# Altium PCB AMS-LV.PcbDoc (part 2 of 2)
Units mm, origin at the board's own origin, x right, y up, seen from the top; angles counter-clockwise.
Board outline 63.9 x 148.3 mm, 4 copper layers (Top Layer, Power VCC, Power GND, Bottom Layer), stack 0.603 mm thick; 121 components, 81 nets, 444 pads, 109 vias.
Unrouted connection lines stored in the file: 19.
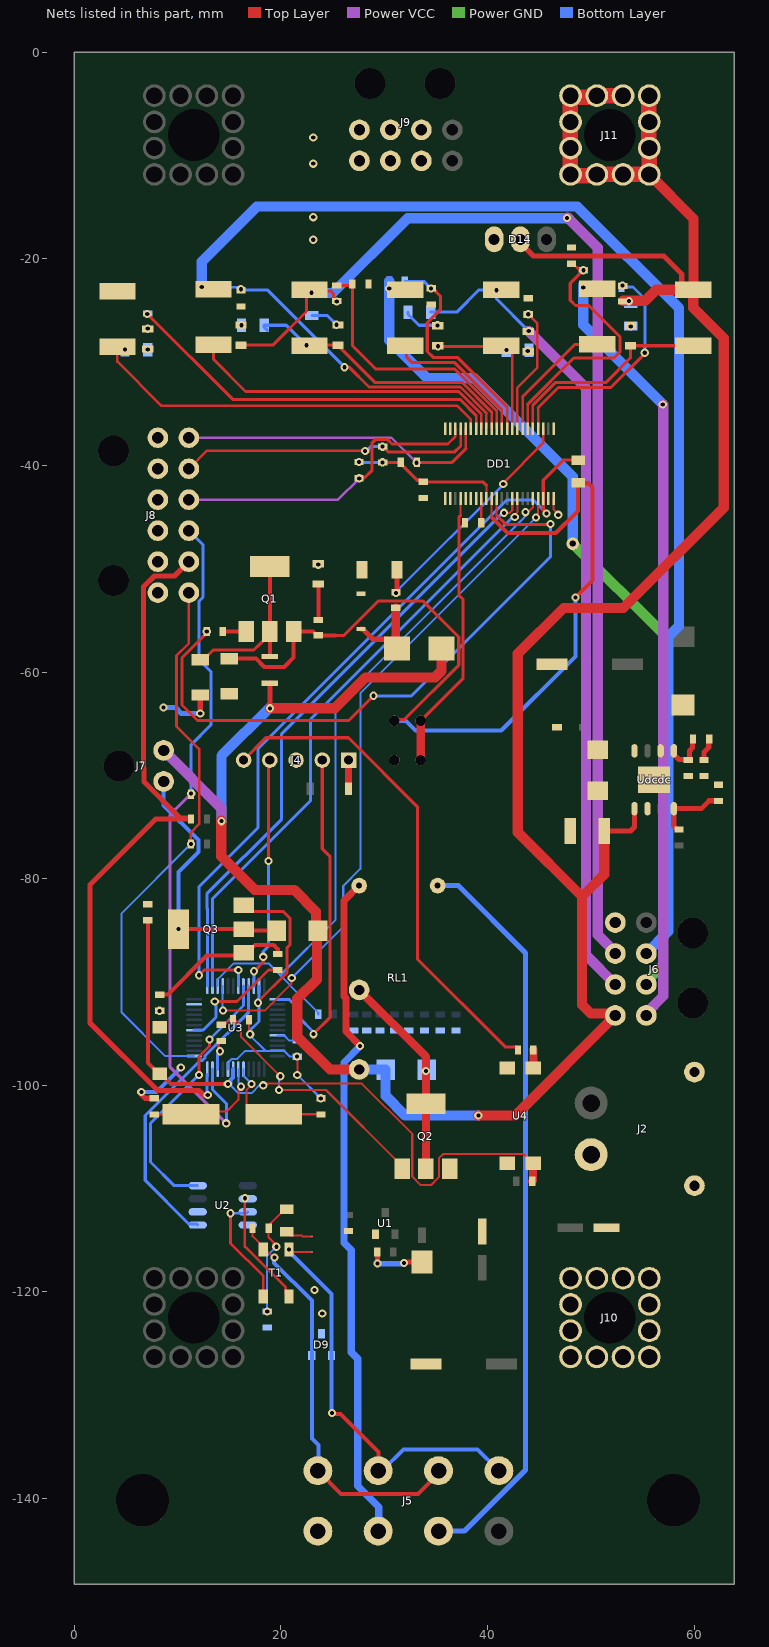
[diagram p4: the nets of this part, all layers, seen from the top]

## Via types
v1: diameter 0.8, hole 0.4, Top Layer to Bottom Layer, 108 vias
v2: diameter 1.2, hole 0.6, Top Layer to Bottom Layer, 1 vias

## Nets (pads, with @x,y where several pads share a name; then routed paths per layer and width w, separated by ;. In a path a pad name is that pad's centre, name@x,y a point inside that pad or via, vN(x,y) a via of type N, cw(c..) or ccw(c..) an arc to the next point about the centre after c; other vN are vias at no path point) (continued)
"BAT V+": Cin.1 D8.1 D12.2 D13.2 D14.2 J6.1 J7.2 J11.1 J11.2 J11.3 J11.4 J11.5 J11.6 J11.7 J11.8 J11.9 J11.10 J11.11 J11.12 R2.2 R4.2 R19.2 R25.2 RL1.4 Udcdc.8 | length 278
  Top Layer w0.5: R25.2@18.922,-61.087 18.939,-61.087 v1(18.939,-63.51) ; D14.2@43.179,-18.101 43.179,-18.451 44.454,-19.726 57.064,-19.726 58.801,-21.463 58.801,-22.648 R4.2@58.453,-22.996 ; Cin.1@51.306,-75.378 53.847,-75.378 54.228,-74.997 Udcdc.8@54.228,-73.225
  Top Layer w1: v1@14.223,-74.362 14.223,-77.85 17.466,-81.093 21.276,-81.093 23.39,-83.207 23.39,-84.831 D13.2@23.589,-85.03 23.494,-85.125 23.494,-89.729 21.589,-91.634 21.589,-95.317 24.747,-98.475 RL1.4@27.568,-98.475 ; v1(18.939,-63.51) 25.202,-63.51 28.193,-60.519 34.924,-60.519 35.55,-59.893 D8.1@35.55,-57.725 ; v1(39.115,-102.937) 42.684,-102.937 J6.1@52.372,-93.249 52.181,-93.058 50.005,-93.058 49.149,-92.202 49.149,-81.729 ; Cin.1@51.306,-75.378 51.306,-79.572 49.149,-81.729 ; R19.2@53.146,-24.058 55.256,-24.058 56.318,-22.996 R4.2@58.453,-22.996 ; J11.1@55.66,-11.81 59.944,-16.094 R4.2@59.944,-22.948 ; R4.2@59.916,-22.996 59.916,-24.737 62.865,-27.686 62.865,-44.084 53.152,-53.797 47.366,-53.797 42.926,-58.237 42.926,-60.325 42.925,-60.326 42.925,-75.505 49.149,-81.729
  Top Layer w1.5: J11.9@53.12,-4.19 J11.9@53.12,-4.19 50.581,-4.191 J11.8@50.58,-4.19 50.446,-4.324 49.951,-4.324 49.931,-4.344 48.383,-4.344 48.229,-4.19 J11.7@48.04,-4.19 48.006,-4.224 48.006,-6.73 48.006,-9.27 48.006,-11.965 48.027,-11.944 48.669,-11.944 48.689,-11.964 50.237,-11.964 50.391,-11.81 J11.3@50.58,-11.81 J11.2@53.12,-11.81 J11.1@55.66,-11.81 J11.12@55.66,-9.27 ; J11.12@55.626,-9.304 55.626,-6.73 J11.10@55.626,-4.689
  Power VCC w1: J7.2@8.638,-67.588 14.239,-73.189 v1(14.239,-74.433)
  Bottom Layer w1: v1(14.239,-74.433) 14.239,-68.123 v1@18.922,-63.44 ; RL1.4@27.568,-98.475 27.576,-98.483 30.121,-98.483 D12.2@30.13,-98.492 30.13,-101.037 32.03,-102.937 v1(39.115,-102.937)
  other v1: 53.71,-24.088
"BAT V-": B1.2 C1.2 C2.2 C3.2 C4.2 C5.2 C6.2 C7.1 C8.1 C9.2 C10.2 C11.2 C12.2 C13.1 C14.1 C15.2 C16.2 C17.1 C18.1 C19.1 C20.1 C21.1 C22.1 C23.1 C24.1 C25.1 C26.1 C27.1 C28.1 Cc1.1 Cin.2 Cout.1 D1.2 D7.1 D9.3 D11.2 DD1.1 DD1.21 DD1.22 DD1.23 DD1.24 DD1.27 DD1.28 DD1.29 DD1.43 DD1.44 Dout.1 Dtvs.2 J2.2 J2.A J3.2 J4.3 J5.5 J6.4 J8.7 J8.8 J8.9 J8.10 J8.11 J8.12 J9.2 J9.3 J9.6 J9.7 J10.1 J10.2 J10.3 J10.4 J10.5 J10.6 J10.7 J10.8 J10.9 J10.10 J10.11 J10.12 Q2.3 Q3.3 R5.2 R13.2 R31.2 R32.2 R39.2 Rc.1 Rf2.1 U1.1 U2.2 U2.8 U3.8 U3.23 U3.35 U3.47 U4.2 U4.3 Udcdc.3 Udcdc.7 Udcdc.A VD1.2 | length 56.4
  Top Layer w0.2: R31.2@16.908,-93.666 16.89,-93.684 16.89,-94.936 v1(17.017,-95.063) ; v1@21.589,-98.746 v1@21.589,-97.222 ; C10.2@27.391,-49.511 27.841,-49.961 C10.2@27.841,-50.105 ; VD1.2@27.76,-52.421 VD1.2@27.841,-52.34 ; DD1.44@46.368,-43.218 DD1.44@46.393,-43.193 46.393,-44.246 46.854,-44.707 v1(46.854,-44.775)
  Top Layer w0.3: Q3.3@16.382,-82.589 16.982,-83.189 20.228,-83.189 20.877,-83.838 20.877,-86.413 20.573,-86.717 20.573,-88.84 20.583,-88.85 20.583,-89.098 17.779,-91.902 v1(17.779,-92.015)
  Top Layer w0.5: v1(6.485,-100.666) 6.542,-100.724 6.542,-100.975 6.835,-101.268 C16.2@7.746,-101.268 ; C11.2@11.937,-62.473 C11.2@12.191,-62.219 12.191,-63.567 ; C8.1@29.318,-116.145 29.336,-116.163 29.336,-117.252 v1(29.354,-117.27) ; v1@31.876,-117.161 31.919,-117.118 D7.1@33.654,-117.118
  Bottom Layer w0.2: U3.8@14.87,-98.453 14.87,-97.809 15.018,-97.661 15.018,-97.659 15.224,-97.453 15.77,-97.453 16.545,-96.678 18.505,-96.678 ; v1@16.89,-95.063 18.505,-96.678 ; v1@21.589,-98.746 21.589,-99 v1@23.875,-101.286 ; R39.2@21.589,-97.24 21.571,-97.222 20.837,-97.222 20.293,-96.678 U3.47@19.645,-96.678 18.505,-96.678
  Bottom Layer w0.3: v1@16.89,-95.063 16.89,-94.805 17.87,-93.825 U3.35@17.87,-90.403
  Bottom Layer w0.4: v1@6.603,-100.651 7.943,-100.651 v1(10.306,-98.288)
  Bottom Layer w0.5: v1(8.635,-63.44) 9.778,-63.44 10.346,-64.008 v1(12.192,-64.008) ; v1(29.354,-117.27) 29.53,-117.27 29.548,-117.288 31.624,-117.288 31.645,-117.267 31.857,-117.267 v1(31.914,-117.21)
  other v1: 24.002,-122.114 23.24,-119.828 23.851,-101.271 21.581,-99.004 21.544,-97.229 8.246,-92.799 23.613,-49.601 7.1,-26.748
C0: DD1.16 R13.1 | length 37.3
  Top Layer w0.25: 38.868,-35.126 38.893,-35.151 DD1.16@38.893,-36.443
  Top Layer w0.3: v1(7.059,-25.333) 15.321,-33.595 37.337,-33.595 38.868,-35.126
  Bottom Layer w0.3: R13.1@7.112,-25.285 R13.1@7.262,-25.285
C1: C1.1 DD1.14 R14.1 | length 32.6
  Top Layer w0.25: DD1.14@39.893,-36.443 39.893,-34.915
  Top Layer w0.3: v1(26.162,-30.48) 26.602,-30.48 28.523,-32.401 37.379,-32.401 39.893,-34.915
  Bottom Layer w0.25: R14.1@13.831,-22.733 15.773,-22.733 15.967,-22.927 v1(16.116,-22.927)
  Bottom Layer w0.3: v1(16.116,-22.927) 16.176,-22.987 18.669,-22.987 v1(26.162,-30.48)
C2: C2.1 DD1.12 R15.1 | length 25.9
  Top Layer w0.25: 40.868,-34.688 40.893,-34.713 DD1.12@40.893,-36.443
  Top Layer w0.3: R15.1@25.399,-22.558 26.766,-22.558 C2.1@26.905,-22.697 ; C2.1@26.905,-22.419 26.924,-22.438 26.924,-28.389 27.748,-29.214 29.209,-30.674 36.854,-30.674 40.868,-34.688
C3: C3.1 DD1.10 R16.1 | length 22.1
  Top Layer w0.25: 41.868,-34.316 41.893,-34.341 DD1.10@41.893,-36.443
  Top Layer w0.3: C3.1@34.394,-22.842 C3.1@34.544,-22.842 34.694,-22.842 35.433,-23.581 35.433,-24.914 34.163,-26.184 34.163,-28.956 34.738,-29.531 37.083,-29.531 41.868,-34.316
  Bottom Layer w0.3: R16.1@31.991,-22.165 33.825,-22.165 v1(34.524,-22.864)
C4: C4.1 DD1.8 R17.1 | length 12.3
  Top Layer w0.25: DD1.8@42.893,-36.443 42.893,-32.466 44.831,-30.528 44.831,-26.248 44.266,-25.683 44.266,-25.533 44.091,-25.358 v1(43.941,-25.358)
C5: C5.1 DD1.6 R18.1 | length 26
  Top Layer w0.25: DD1.6@43.893,-36.443 43.893,-34.058 ; C5.1@48.133,-20.465 48.283,-20.465 48.807,-20.989 49.171,-20.989 v1(49.276,-21.094)
  Top Layer w0.3: 43.893,-34.058 48.36,-29.591 52.241,-29.591 52.832,-29 52.832,-27.538 49.805,-24.511 48.514,-24.511 48.006,-24.003 48.006,-22.364 v1(49.276,-21.094)
C6: C6.1 DD1.4 R19.1 | length 22.6
  Top Layer w0.25: DD1.4@44.893,-36.443 44.893,-34.421
  Top Layer w0.3: 44.893,-34.421 46.862,-32.452 51.942,-32.452 55.227,-29.167 v1(55.227,-29.082) ; R19.1@53.086,-22.618 R19.1@53.236,-22.618
  Bottom Layer w0.3: C6.1@53.075,-22.715 54.084,-22.715 55.245,-23.876 55.245,-29.064 v1(55.227,-29.082)
  other v1: 53.075,-22.588
CAN_N: D9.1 J5.2 J5.4 SB1.1 T1.3 | length 41.3
  Top Layer w0.2: T1.3@20.595,-115.891 v1(20.787,-115.891) 21.056,-116.16 SB1.1@22.986,-116.16
  Top Layer w0.381: v1(24.934,-131.748) 25.014,-131.829 25.782,-131.829 29.461,-135.507 29.461,-137.279 J5.2@29.415,-137.325
  Bottom Layer w0.381: v1@20.7,-116.018 20.801,-116.018 20.986,-116.203 20.986,-116.304 24.891,-120.209 D9.1@24.891,-126.178 ; D9.1@24.886,-126.178 24.886,-131.693 v1@24.892,-131.699 ; J5.2@29.415,-137.325 29.807,-137.325 31.877,-135.255 39.03,-135.255 J5.4@41.1,-137.325
CAN_P: D9.2 J5.1 J5.3 R21.2 T1.4 | length 39.8
  Top Layer w0.2: R21.2@17.253,-113.859 17.253,-114.632 19.314,-116.693 v1(19.385,-116.693)
  Top Layer w0.381: J5.1@23.575,-137.325 25.823,-139.573 33.274,-139.573 J5.3@35.389,-137.458
  Bottom Layer w0.381: v1(19.385,-116.693) 19.345,-116.733 19.345,-117.203 22.986,-120.844 D9.2@22.986,-126.178 22.986,-134.218 23.621,-134.853 23.621,-137.279 J5.1@23.575,-137.325
CAN_RX: U2.4 U3.32 | length 26.3
  Top Layer w0.3: v1@12.064,-99 12.064,-97.222 13.08,-96.206 v1(13.08,-95.571)
  Bottom Layer w0.3: U2.4@11.938,-109.728 9.652,-109.728 7.365,-107.441 7.365,-103.699 v1@12.064,-99 ; v1(13.08,-95.571) 16.37,-92.281 U3.32@16.37,-90.403
  other v1: 12.056,-99.004
CAN_TX: U2.1 U3.33 | length 29.9
  Bottom Layer w0.3: U2.1@11.938,-113.538 11.858,-113.458 11.096,-113.458 6.857,-109.219 6.857,-102.937 12.214,-97.58 12.41,-97.58 12.645,-97.345 12.645,-97.149 16.87,-92.924 U3.33@16.87,-90.403
CELL2: J6.7 R9.2 R14.2 | length 118.8
  Bottom Layer w1: v1(12.331,-22.733) 12.319,-22.721 12.319,-20.259 17.652,-14.926 48.708,-14.926 58.547,-24.765 58.547,-55.524 57.51,-56.561 57.51,-85.111 J6.7@55.372,-87.249
CELL3: D3.2 J6.3 R3.2 R10.2 R15.2 | length 114.2
  Top Layer w0.3: D3.2@16.128,-28.347 19.217,-28.347 22.478,-25.086 R10.2@22.478,-23.011 ; R10.2@22.747,-22.996 22.84,-23.088 24.791,-23.088 25.099,-23.397 25.099,-23.908 25.249,-24.058 R15.2@25.399,-24.058
  Power VCC w1: v1@47.752,-16.002 50.663,-18.913 50.663,-85.422 52.372,-87.131 J6.3@52.372,-87.249
  Bottom Layer w1: R3.2@22.986,-23.296 25.03,-23.296 32.275,-16.051 v1@47.861,-16.051
  other v1: 25.4,-24.13 22.953,-23.274 47.705,-16.041
CELL4: J6.6 R6.2 R16.2 | length 82.4
  Power GND w1: v2(48.259,-47.565) 56.997,-56.303 56.997,-88.353 55.372,-89.978 J6.6@55.372,-90.249
  Bottom Layer w1: R16.2@30.491,-22.165 30.491,-27.892 34.162,-31.563 38.734,-31.563 48.259,-41.088 v2(48.259,-47.565)
  other v1: 30.48,-22.86
CELL5: D2.2 J6.2 R1.2 R7.2 R17.2 | length 79.3
  Power VCC w1: v1(43.998,-26.987) 49.538,-32.526 49.538,-87.415 J6.2@52.372,-90.249
  Bottom Layer w0.3: R1.2@34.501,-25.146 37.023,-25.146 39.182,-22.987 40.845,-22.987 v1(40.882,-23.024) 40.885,-23.027 40.885,-23.874 v1(43.998,-26.987)
CELL6: J6.5 R8.2 R18.2 | length 74.4
  Power VCC w1: J6.5@55.372,-93.249 55.372,-93.015 57.023,-91.364 v1@57.023,-34.088
  Bottom Layer w1: v1(49.27,-22.764) 49.27,-26.387 v1(56.971,-34.088)
DRIVE: DD1.33 R26.1 | length 61.4
  Top Layer w0.2: 40.891,-44.834 40.891,-43.195 DD1.33@40.893,-43.193
  Top Layer w0.3: R26.1@12.808,-56.074 12.808,-56.224 10.414,-58.618 10.414,-63.185 11.912,-64.683 26.569,-64.683 v1(28.955,-62.297) ; 40.891,-44.834 41.756,-45.7 46.06,-45.7 v1(46.1,-45.66)
  Bottom Layer w0.3: v1(28.955,-62.297) 32.638,-62.297 46.1,-48.835 v1(46.1,-45.66)
  other v1: 12.818,-56.078
DTEN: DD1.26 J1.1 J3.1 | length 27.2
  Top Layer w0.2: 37.393,-44.828 DD1.26@37.393,-43.193
  Top Layer w0.3: J1.1@33.527,-64.71 37.635,-60.602 37.635,-52.977 37.252,-52.594 37.252,-44.969 37.393,-44.828
  Top Layer w0.8: J3.1@33.527,-68.52 J1.1@33.527,-64.71
"LTC V+": C10.1 DD1.3 R23.2 | length 23.9
  Top Layer w0.25: v1@41.511,-41.723 45.393,-37.841 DD1.3@45.393,-36.443
  Top Layer w0.5: R23.2@31.139,-52.276 31.191,-52.276 31.241,-52.226 C10.1@31.241,-50.105
  Bottom Layer w0.25: v1@31.114,-52.264 41.528,-41.85 v1(41.528,-41.793)
  other v1: 31.131,-52.334
LTC_VREG: C12.1 DD1.32 J1.2 Q1.3 R24.2 R27.1 | length 93.6
  Top Layer w0.2: DD1.32@40.393,-43.193 40.393,-45.008 40.428,-45.043
  Top Layer w0.3: 25.284,-56.443 26.099,-56.443 29.441,-53.101 33.715,-53.101 35.395,-54.781 37.21,-56.596 37.21,-59.329 31.947,-64.592 31.105,-64.592 J1.2@30.987,-64.71
  Top Layer w0.4: C12.1@14.985,-58.692 17.571,-58.692 18.383,-59.503 20.319,-59.503 21.222,-58.6 Q1.3@21.222,-56.074 23.102,-56.074 23.471,-56.443 R27.1@23.621,-56.443 25.284,-56.443 ; 40.428,-45.043 41.934,-46.549 46.608,-46.549 48.767,-44.39 R24.2@48.767,-41.68 48.81,-41.723 49.783,-41.723 50.164,-42.104 50.164,-51.121 v1(48.513,-52.772)
  Bottom Layer w0.4: J1.2@30.987,-64.71 31.024,-64.747 32.097,-64.747 33.02,-65.67 41.33,-65.67 48.513,-58.487 v1(48.513,-52.772)
NetC9_1: C9.1 R21.1 R22.2 | length 11.4
  Top Layer w0.2: v1@19.303,-115.764 19.303,-115.232 18.813,-114.742 R21.1@18.813,-113.859 19.013,-113.659 19.013,-113.357 20.373,-111.997 R22.2@20.573,-111.997
  Bottom Layer w0.2: v1(18.669,-121.902) 18.669,-116.525 v1(19.557,-115.637)
NetC11_1: C11.1 Q1.2 R25.1 | length 16.5
  Top Layer w0.3: C11.1@12.191,-58.819 12.491,-58.819 13.443,-57.867 17.379,-57.867 18.033,-57.213 18.922,-56.324 Q1.2@18.922,-56.074
  Top Layer w0.4: R25.1@18.922,-58.487 Q1.2@18.922,-56.324 ; Q1.2@18.922,-56.074 Q1.2@18.922,-49.774
NetC13_2: C13.2 DD1.30 | length 2.3
  Top Layer w0.2: C13.2@39.393,-45.533 DD1.30@39.393,-43.193
NetC15_1: C15.1 U3.5 Y1.2 | length 11.6
  Top Layer w0.2: v1(17.144,-99.873) 17.144,-100.011 16.652,-100.503 16.652,-101.91 17.552,-102.81 Y1.2@19.302,-102.81 23.857,-102.81 C15.1@23.875,-102.828
  Bottom Layer w0.2: U3.5@16.37,-98.453 16.37,-99.097 16.518,-99.245 16.518,-99.247 v1(17.144,-99.873)
NetC16_1: C16.1 U3.6 Y1.1 | length 11.9
  Top Layer w0.2: C16.1@7.746,-102.828 11.284,-102.828 Y1.1@11.302,-102.81 11.568,-102.544 14.743,-102.544 15.874,-101.413 15.874,-100.397 v1(16.128,-100.143)
  Bottom Layer w0.2: U3.6@15.87,-98.453 15.872,-98.455 15.872,-99.746 16.128,-100.002 v1(16.128,-100.143)
NetCc1_2: Cc1.2 Cc2.2 Udcdc.4 | length 4.2
  Top Layer w0.5: Udcdc.4@58.038,-67.625 58.038,-67.948 58.542,-68.452 59.385,-68.452 Cc1.2@59.435,-68.502 59.512,-68.502 59.562,-68.452 59.562,-67.631 59.857,-67.336 59.857,-66.538 Cc2.2@59.907,-66.488
NetCc2_1: Cc2.1 Rc.2 | length 2.2
  Top Layer w0.5: Rc.2@60.959,-68.502 60.959,-67.758 61.417,-67.3 61.417,-66.538 Cc2.1@61.467,-66.488
NetD1_1: D1.1 R20.2
  other v1: 7.103,-28.773
NetD2_1: D2.1 R12.2
  other v1: 43.89,-28.9
NetD3_1: D3.1 R11.2 | length 0.5
  Top Layer w0.3: D3.1@16.128,-26.397 16.328,-26.397 D3.1@16.528,-26.197
  other v1: 16.172,-26.416
NetD4_1: D4.1 R1.1 | length 3.5
  Bottom Layer w0.3: R1.1@32.301,-25.146 32.301,-25.346 33.371,-26.416 35.157,-26.416 v1(35.168,-26.427)
NetD5_1: D5.1 R3.1 | length 2.8
  Bottom Layer w0.3: R3.1@22.987,-25.484 24.505,-25.484 v1(25.388,-26.367)
NetD6_1: D6.1 R2.1
  other v1: 53.865,-26.527
NetD8_2: D8.2 R23.1 VD1.1 | length 8.1
  Top Layer w0.5: VD1.1@27.76,-55.821 27.91,-55.821 28.914,-56.825 30.35,-56.825 31.114,-57.589 D8.2@31.25,-57.725
  Top Layer w0.8: D8.2@31.114,-57.589 R23.1@31.114,-53.776
NetD10_1: D10.1 J4.1 | length 2.8
  Top Layer w0.7: D10.1@26.542,-71.314 J4.1@26.542,-68.52
NetD11_1: D11.1 R27.2 | length 3.6
  Top Layer w0.4: R27.2@23.621,-54.943 23.621,-51.611 23.771,-51.461 D11.1@23.875,-51.461
NetD12_1: D12.1 Q2.2 RL1.3 | length 20
  Top Layer w0.8: RL1.3@27.568,-90.775 34.035,-97.242 34.035,-98.619 Q2.2@34.035,-101.794 Q2.2@34.035,-108.094
  other v1: 34.027,-98.623
NetD13_1: D13.1 J7.1 Q3.2 | length 26.9
  Top Layer w0.4: Q3.2@9.507,-84.505 Q3.2@10.159,-85.157 ; v1(10.082,-84.889) Q3.2@16.382,-84.889 ; Q3.2@16.459,-85.157 16.586,-85.03 D13.1@19.589,-85.03
  Bottom Layer w0.4: J7.1@8.638,-70.588 8.638,-72.9 12.009,-76.271 12.009,-77.424 10.082,-79.351 v1(10.082,-84.889)
NetD14_1: D14.1 J9.4 J9.8
  other v1: 23.132,-18.139 23.132,-15.951 23.132,-10.773 23.132,-8.233
NetDout_2: Dout.2 Lout.1 Udcdc.1 | length 0.4
  Top Layer w0.5: Udcdc.1@54.222,-67.631 Udcdc.1@54.228,-67.625 Udcdc.1@54.228,-67.248
NetQ1_1: Q1.1 R26.2 | length 2.3
  Top Layer w0.4: R26.2@14.368,-56.074 Q1.1@16.622,-56.074
NetQ2_1: Q2.1 R31.1 R33.2 | length 24.7
  Top Layer w0.2: R33.2@14.604,-94.047 14.858,-93.793 15.221,-93.793 15.694,-93.793 16.129,-94.228 16.129,-95.318 v1(19.938,-99.127) ; v1(19.803,-100.469) 24.359,-100.469 31.735,-107.844 Q2.1@31.735,-108.094
  Bottom Layer w0.2: v1(19.803,-100.469) 19.811,-100.461 v1@19.811,-99.254
NetQ3_1: Q3.1 R32.1 R34.1 | length 13.9
  Top Layer w0.4: R32.1@8.254,-91.235 8.263,-91.226 9.043,-91.226 12.812,-87.457 16.459,-87.457 Q3.1@16.709,-87.457 ; Q3.1@16.727,-87.189 17.489,-86.427 19.303,-86.427 19.684,-86.808 R34.1@19.684,-87.298
NetR22_1: R22.1 SB1.2 | length 2.6
  Top Layer w0.2: R22.1@20.573,-114.197 20.923,-114.547 21.998,-114.547 22.111,-114.66 SB1.2@22.986,-114.66
NetR33_1: R33.1 U3.10 | length 2.7
  Top Layer w0.3: v1(14.096,-96.714) 13.969,-96.587 13.969,-95.97 R33.1@14.223,-95.716
  Bottom Layer w0.3: U3.10@13.87,-98.453 13.847,-98.43 13.847,-97.09 v1@13.969,-96.968
NetR34_2: R34.2 U3.18 | length 11.8
  Top Layer w0.3: v1(13.588,-91.888) 13.588,-91.991 13.564,-92.015 13.691,-91.888 15.747,-91.888 18.795,-88.84 19.666,-88.84 R34.2@19.684,-88.858
  Bottom Layer w0.3: U3.18@11.595,-94.678 11.618,-94.655 12.472,-94.655 13.715,-93.412 13.715,-92.314 13.684,-92.282 13.684,-91.984 v1(13.588,-91.888)
NetR39_1: R39.1 U3.44 | length 2.2
  Bottom Layer w0.2: U3.44@19.645,-95.178 20.293,-95.178 20.795,-95.68 R39.1@21.589,-95.68
NetR41_2: R41.2 U4.1 | length 1.8
  Top Layer w0.8: R41.2@44.437,-96.587 44.443,-96.593 44.443,-98.331 U4.1@44.449,-98.337
NetRf1_1: Rf1.1 Rf2.2 Udcdc.5 | length 7
  Top Layer w0.5: Rf1.1@58.546,-75.233 58.396,-75.233 58.038,-74.875 Udcdc.5@58.038,-73.225 60.699,-73.225 61.467,-72.457 62.338,-72.457 Rf2.2@62.356,-72.475 Rf2.2@62.338,-72.475
NetT1_1: T1.1 U2.7 | length 11.1
  Top Layer w0.254: v1(15.113,-112.395) 15.113,-115.316 18.287,-118.49 T1.1@18.287,-120.441
  Bottom Layer w0.254: v1(15.113,-112.395) 16.661,-112.395 U2.7@16.788,-112.268
NetT1_2: T1.2 U2.6 | length 11.3
  Top Layer w0.254: v1@16.51,-110.946 16.51,-115.638 20.472,-119.6 20.472,-120.126 T1.2@20.787,-120.441
  other v1: 16.519,-110.946
NRST: B1.1 C25.2 R40.1 U3.7 U4.4 | length 65.1
  Top Layer w0.2: v1(18.287,-100.016) 18.46,-99.843 27.841,-99.843 32.71,-104.713 32.71,-108.837 33.541,-109.668 34.529,-109.668 35.288,-108.909 35.288,-107.072 35.699,-106.662 43.474,-106.662 44.349,-107.537 U4.4@44.449,-107.537
  Top Layer w0.4: C25.2@7.111,-84.032 7.111,-97.83 8.154,-98.873 B1.1@8.254,-98.873 8.354,-98.873 9.37,-99.889 v1(14.858,-99.889)
  Top Layer w0.8: R40.1@44.34,-109.287 44.344,-109.287 44.394,-109.237 44.394,-107.592 U4.4@44.449,-107.537
  Bottom Layer w0.2: v1@15.112,-99.889 15.112,-100.011 15.869,-100.768 17.154,-100.768 17.906,-100.016 v1(18.287,-100.016)
  Bottom Layer w0.4: v1@15.112,-99.889 15.112,-99.508 15.366,-99.254 15.366,-98.457 U3.7@15.37,-98.453
PSENS1: DD1.18 J8.1 R28.1 | length 30.2
  Top Layer w0.25: 37.893,-38.373 DD1.18@37.893,-36.443
  Top Layer w0.3: R28.1@33.164,-39.691 36.575,-39.691 37.893,-38.373
  Power VCC w0.25: J8.1@11.08,-37.312 30.699,-37.312 v1(33.116,-39.73)
PSENS2: DD1.19 J8.2 R29.1 | length 29.6
  Top Layer w0.25: J8.2@11.08,-40.312 12.804,-38.588 v1(28.153,-38.588) v1@28.048,-38.482 ; 37.337,-38.167 37.393,-38.111 DD1.19@37.393,-36.443
  Top Layer w0.3: R29.1@29.844,-38.149 29.994,-38.149 30.144,-38.299 30.144,-38.449 30.37,-38.675 36.829,-38.675 37.337,-38.167
  Bottom Layer w0.3: v1(28.153,-38.588) 28.288,-38.588 28.705,-38.171 29.84,-38.171 v1@29.844,-38.167
  other v1: 29.836,-38.171
PSENS3: DD1.20 J8.3 R30.1 | length 31
  Top Layer w0.25: 36.149,-37.913 36.893,-37.169 DD1.20@36.893,-36.443
  Top Layer w0.3: R30.1@27.558,-41.233 27.576,-41.215 28.066,-41.215 28.828,-40.453 28.828,-37.784 29.116,-37.496 30.33,-37.496 30.747,-37.913 36.149,-37.913
  Power VCC w0.25: J8.3@11.08,-43.312 25.513,-43.312 v1(27.584,-41.241)
PSENS4: J8.4 R36.1 U3.11 | length 68.3
  Power VCC w0.3: v1(11.303,-71.755) 9.271,-73.787 9.271,-98.253 v1(14.709,-103.692)
  Bottom Layer w0.3: J8.4@11.08,-46.312 11.084,-46.312 12.446,-47.674 12.446,-52.749 12.065,-53.13 12.065,-58.801 13.208,-59.944 13.208,-65.124 11.303,-67.029 v1(11.303,-71.755) ; U3.11@13.37,-98.453 13.37,-100.433 14.731,-101.794 v1@14.731,-103.699
PSENS5: J8.5 R37.1 U3.12 | length 72.6
  Top Layer w0.5: J8.5@11.08,-49.312 9.705,-50.687 7.76,-50.687 6.705,-51.742 6.705,-69.316 6.731,-69.342 6.731,-70.626 10.234,-74.129 11.234,-74.129 11.284,-74.179 R37.1@11.284,-74.235 7.873,-74.235 1.523,-80.585 1.523,-93.972 8.075,-100.524 12.064,-100.524 12.492,-100.952 12.906,-100.952 v1(12.915,-100.943)
  Bottom Layer w0.3: v1@12.826,-101.032 U3.12@12.826,-98.978 ; v1@12.826,-100.943 v1(12.915,-100.943)
PSENS6: J8.6 R38.1 U3.13 | length 53.9
  Top Layer w0.25: J8.6@11.08,-52.312 11.08,-57.21 9.889,-58.401 9.889,-65.261 12.078,-67.45 12.078,-74.721 11.284,-75.515 v1(11.284,-76.648)
  Bottom Layer w0.2: v1(11.284,-76.648) 4.572,-83.36 4.572,-92.964 8.786,-97.178 U3.13@11.595,-97.178
RESET_LINE: J4.5 R41.1 | length 49
  Top Layer w0.3: J4.5@16.612,-68.75 J4.5@16.382,-68.52 18.541,-66.361 26.542,-66.361 33.205,-73.024 33.205,-87.779 41.713,-96.287 42.787,-96.287 42.937,-96.437 R41.1@42.937,-96.587
S0: DD1.17 R5.1 R20.1 | length 39.1
  Top Layer w0.25: R5.1@4.163,-28.523 4.163,-29.944 8.449,-34.23 37.083,-34.23 38.393,-35.54 DD1.17@38.393,-36.443
  Top Layer w0.3: R5.1@4.65,-29.011 R5.1@4.813,-29.173
  other v1: 4.903,-28.773
S1: DD1.15 R9.1 | length 31
  Top Layer w0.25: 39.368,-34.991 39.393,-35.016 DD1.15@39.393,-36.443
  Top Layer w0.3: R9.1@13.328,-28.327 13.462,-28.461 13.462,-29.718 16.57,-32.826 37.203,-32.826 39.368,-34.991
S2: D5.2 DD1.13 R10.1 R11.1 | length 27.8
  Top Layer w0.25: 40.368,-34.789 40.393,-34.814 DD1.13@40.393,-36.443
  Top Layer w0.3: R10.1@22.493,-28.396 22.542,-28.347 D5.2@25.485,-28.347 ; D5.2@25.526,-28.347 D5.2@25.485,-28.347 ; 40.368,-34.789 37.523,-31.944 29.082,-31.944 D5.2@25.485,-28.347
  Bottom Layer w0.3: R11.1@18.672,-26.916 18.372,-26.616 R11.1@18.372,-26.416 20.523,-26.416 v1(22.468,-28.361)
S3: DD1.11 R6.1 | length 14.3
  Top Layer w0.25: 41.368,-34.587 41.393,-34.612 DD1.11@41.393,-36.443
  Top Layer w0.3: R6.1@32.039,-28.396 32.137,-28.494 32.137,-29.47 32.706,-30.039 36.82,-30.039 41.368,-34.587
S4: D4.2 DD1.9 R7.1 R12.1 | length 14.2
  Top Layer w0.25: R7.1@41.332,-28.396 41.718,-28.396 42.393,-29.071 DD1.9@42.393,-36.443
  Top Layer w0.3: D4.2@35.214,-28.474 R7.1@40.746,-28.474
  other v1: 41.826,-28.829 35.214,-28.452
S5: DD1.7 R8.1 | length 11.8
  Top Layer w0.25: DD1.7@43.393,-36.443 43.393,-33.354
  Top Layer w0.3: 43.393,-33.354 48.478,-28.269 R8.1@49.989,-28.269
S6: D6.2 DD1.5 R4.1 | length 20.9
  Top Layer w0.25: DD1.5@44.393,-36.443 44.393,-34.159
  Top Layer w0.3: 44.393,-34.159 46.608,-31.944 51.481,-31.944 53.848,-29.577 D6.2@53.848,-28.407 59.905,-28.407 R4.1@59.916,-28.396
SD_in: J5.6 RL1.1 | length 65.8
  Top Layer w0.7: RL1.1@27.568,-80.675 26.093,-82.15 26.093,-91.386 26.288,-91.581 26.288,-94.809 v1@27.685,-96.206
  Bottom Layer w0.7: v1@27.685,-96.206 26.093,-97.798 26.093,-115.247 26.797,-115.951 26.797,-125.857 27.432,-126.492 27.432,-138.811 29.461,-140.84 J5.6@29.461,-143.175
  other v1: 27.663,-96.207
SD_out: J5.7 RL1.2 | length 72.2
  Bottom Layer w0.5: RL1.2@35.168,-80.675 37.173,-80.675 43.688,-87.19 43.688,-137.247 37.76,-143.175 J5.7@35.255,-143.175
SPI_CLK: DD1.37 U3.26 | length 59.5
  Top Layer w0.2: v1(42.635,-44.989) 42.635,-44.776 42.893,-44.519 DD1.37@42.893,-43.193
  Bottom Layer w0.3: U3.26@13.37,-90.403 13.37,-81.946 22.859,-72.457 22.859,-64.583 42.453,-44.989 v1(42.635,-44.989)
SPI_CS: DD1.36 U3.25 | length 59.9
  Top Layer w0.2: v1(41.591,-44.58) 41.595,-44.577 42.164,-44.577 42.393,-44.348 DD1.36@42.393,-43.193
  Top Layer w0.3: v1(41.591,-44.58) v1@41.645,-44.58
  Bottom Layer w0.3: U3.25@12.87,-90.403 12.87,-82.915 12.826,-82.871 12.826,-81.474 20.065,-74.235 20.065,-65.983 41.468,-44.58 v1(41.591,-44.58)
SPI_MISO: DD1.40 R35.2 U3.27 | length 69.7
  Top Layer w0.2: v1@43.687,-44.771 44.393,-44.065 DD1.40@44.393,-43.193
  Bottom Layer w0.2: U3.27@13.87,-90.403 13.87,-89.755 15.42,-88.205 18.795,-88.205 19.92,-89.33 ; R35.2@23.608,-93.133 23.608,-92.983 21.95,-91.325 21.878,-91.325 19.92,-89.368 19.92,-89.33 ; v1(43.687,-44.517) 43.583,-44.621 43.583,-45.002 25.272,-63.313 25.272,-84.014 19.955,-89.33 19.92,-89.33
SPI_MOSI: DD1.41 U3.28 | length 67
  Top Layer w0.2: v1(14.39,-92.777) 18.414,-92.777 21.004,-90.187 21.004,-89.65 v1(21.045,-89.609) ; v1(44.703,-45.025) 44.703,-44.863 44.893,-44.673 DD1.41@44.893,-43.193 ; v1@44.703,-44.771 v1@44.743,-44.731
  Bottom Layer w0.2: U3.28@14.37,-90.403 14.35,-90.423 14.35,-92.737 v1(14.39,-92.777) ; v1(21.045,-89.609) 21.068,-89.609 26.034,-84.643 26.034,-80.712 27.685,-79.061 27.685,-62.043 v1(44.703,-45.025)
SWCLK: J4.2 U3.37 | length 33
  Top Layer w0.3: v1(23.156,-95.059) 23.156,-95.02 24.764,-93.412 24.764,-77.875 24.002,-77.113 J4.2@24.002,-68.52
  Bottom Layer w0.3: U3.37@19.645,-91.678 19.655,-91.688 20.773,-91.688 21.716,-92.63 21.716,-93.412 23.156,-94.852 v1(23.156,-95.059)
SWDIO: J4.4 U3.34 | length 22.5
  Top Layer w0.3: v1@17.398,-88.967 18.287,-88.078 v1(18.287,-87.57) ; v1(18.795,-78.299) 18.795,-68.647 J4.4@18.922,-68.52
  Bottom Layer w0.3: U3.34@17.37,-90.403 17.384,-90.389 17.384,-88.981 v1@17.398,-88.967 ; v1(18.287,-87.57) 18.287,-87.062 18.795,-86.554 v1(18.795,-78.299)
  other v1: 17.39,-88.971
VREF_TEMP: C14.2 DD1.31 R28.2 R29.2 R30.2 | length 14.6
  Top Layer w0.2: 39.878,-41.91 39.893,-41.925 DD1.31@39.893,-43.193
  Top Layer w0.3: R29.2@29.844,-39.709 31.586,-39.709 R28.2@31.604,-39.691 31.604,-39.841 33.191,-41.428 33.631,-41.428 C14.2@33.781,-41.578 39.546,-41.578 39.878,-41.91
  Bottom Layer w0.3: v1@27.558,-39.691 v1@29.844,-39.691
  other v1: 29.836,-39.695 27.56,-39.661
WDT: DD1.42 R24.1 U3.31 | length 75.9
  Top Layer w0.3: v1(12.064,-89.348) 12.572,-88.84 v1(15.874,-88.84) ; v1(45.719,-44.644) 45.393,-44.318 DD1.42@45.393,-43.193 45.393,-41.414 47.327,-39.48 R24.1@48.767,-39.48
  Bottom Layer w0.3: v1(12.064,-89.348) 12.064,-80.773 17.78,-75.057 17.78,-67.437 41.876,-43.341 44.416,-43.341 v1(45.719,-44.644) ; U3.31@15.87,-90.403 15.874,-90.399 v1(15.874,-88.84)
pads on no net: D14.3 DD1.2 DD1.25 DD1.34 DD1.35 DD1.38 DD1.39 J5.A J6.8 J6.A J7.A J8.A J9.A J10.13 J11.13 J12.1 J12.2 J12.3 J12.4 J12.5 J12.6 J12.7 J12.8 J12.9 J12.10 J12.11 J12.12 J12.13 J13.1 J13.2 J13.3 J13.4 J13.5 J13.6 J13.7 J13.8 J13.9 J13.10 J13.11 J13.12 J13.13 U2.5 U3.2 U3.3 U3.4 U3.14 U3.15 U3.16 U3.17 U3.19 U3.20 U3.21 U3.22 U3.29 U3.30 U3.38 U3.39 U3.40 U3.41 U3.42 U3.43 U3.45 U3.46 Udcdc.2 Udcdc.6

## Polygon pours and split planes (outlines as drawn)
"BAT V-" on Top Layer "BAT_V-_L01_P032" (solid, pour order 32): 0,-168.672 0,0 63.9,0 63.9,-168.672
"BAT V-" on Bottom Layer "BAT_V-_L04_P023" (solid, pour order 23): 0,-148.3 0,0 63.9,0 63.9,-148.3
"BAT V-" on Bottom Layer "BAT_V-_L04_P022" (solid, pour order 22): 0.761,-46.803 0.761,-49.597 4.19,-49.597 4.19,-48.962 4.19,-46.803
"BAT V-" on Bottom Layer "BAT_V-_L04_P021" (solid, pour order 21): 0.761,-52.518 0.761,-54.804 4.19,-54.804 4.19,-54.677 4.19,-52.518
"BAT V-" on Bottom Layer "BAT_V-_L04_P019" (solid, pour order 19): 9.916,-57.213 9.916,-52.772 -4.084,-52.772 -4.084,-49.313 11.513,-49.313 11.513,-35.344 15.316,-35.344 15.316,-57.213
+24V_IN on Power VCC "+24V_IN_L02_P030" (solid, pour order 30): 0,-148.3 0,0 63.9,0 63.9,-148.3

## Keep-outs
Keep-Out Layer:
  the board outline again, w0.254

## Other copper
Top Layer:
  rectangle net "BAT V-": 6.476,-47.228 9.515,-35.627
  rectangle net "BAT V-": 44.322,-60.519 48.132,-58.233
  rectangle net +5V: 54.863,-59.63 55.498,-58.868
  rectangle net +5V: 53.085,-58.995 53.974,-58.106
  rectangle net +5V: 51.561,-59.63 52.45,-58.868
  rectangle net +5V: 57.276,-58.36 60.451,-55.312
  rectangle net NetDout_2: 53.593,-67.248 54.228,-66.615
  rectangle net NetDout_2: 53.339,-68.012 54.101,-67.123
  rectangle net "BAT V-": 56.133,-68.774 57.403,-66.488
  rectangle net "BAT V-": 49.275,-72.584 52.323,-70.298
  rectangle net "BAT V-": 54.383,-71.925 57.883,-68.925
  rectangle net "BAT V-": 49.472,-72.604 51.872,-70.404
  rectangle net "BAT V-": 46.035,-65.845 47.435,-64.845
  rectangle net +5V: 49.277,-65.837 50.545,-64.837
  rectangle net NetDout_2: 49.783,-68.393 51.872,-66.615
  rectangle net NetDout_2: 57.403,-64.964 60.324,-61.662
  region net "BAT V-": 29.21,-6.35 29.337,-6.223 34.798,-6.223 34.798,-11.811 34.671,-11.938 29.21,-11.938
  region net "BAT V-": 54.863,-71.568 54.863,-74.235 56.069,-74.235 56.069,-71.568
  region net "BAT V-": 48.767,-73.473 53.085,-73.473 53.085,-70.806 48.767,-70.806
  region net "BAT V-": 63.118,-71.568 63.118,-69.155 48.132,-69.155 48.132,-57.979 44.068,-57.979 44.068,-75.759 46.989,-75.759 46.989,-76.902 49.021,-76.902 49.021,-71.568
  region net NetDout_2: 49.021,-66.488 49.021,-68.52 54.736,-68.52 54.736,-65.345 61.213,-65.345 61.213,-60.9 55.371,-60.9 55.371,-63.313 51.434,-63.313 51.434,-66.488
  region net +5V: 48.513,-66.234 48.513,-66.107 51.053,-66.107 51.053,-62.932 54.736,-62.932 54.736,-59.884 61.086,-59.884 61.086,-54.677 48.64,-54.677
  region net NetD14_1: 41.782,-20.006 41.782,-12.64 28.828,-12.64 28.828,-6.544 21.97,-6.544 21.97,-20.006
  pour cut-out: 63.166,-53.153 63.245,-53.232 63.245,-149.419 63.296,-149.419 63.601,-149.114
Power VCC:
  region net NetD14_1: 41.782,-20.006 41.782,-12.64 28.828,-12.64 28.828,-6.798 22.224,-6.798 22.224,-20.133 26.034,-20.133
Power GND:
  region net NetD14_1: 42.036,-12.513 29.082,-12.513 29.082,-6.798 22.351,-6.798 22.351,-19.879 42.036,-19.879
Bottom Layer:
  rectangle net "BAT V-": 47.498,-109.093 52.451,-104.267
  region net "BAT V-": 56.895,-128.083 56.895,-125.543 47.243,-125.543 47.243,-128.083
  rectangle net "BAT V-": 54.609,-128.083 56.895,-118.431
  rectangle net "BAT V-": 46.355,-128.143 48.895,-118.491
  rectangle net "BAT V-": 46.355,-119.634 57.023,-116.967
  rectangle net "BAT V-": 58.42,-111.887 61.595,-96.647
  rectangle net "BAT V-": 51.181,-85.471 53.467,-83.058
  rectangle net "BAT V-": 29.082,-12.64 34.924,-6.671
  rectangle net "BAT V-": 23.494,-125.035 24.383,-122.876
  pour cut-out: 17.513,-92.611 17.31,-92.611 17.271,-92.65 17.144,-92.523 17.144,-91.581 17.3,-91.425 17.379,-91.425 17.423,-91.47 17.423,-91.583 17.371,-91.635 17.382,-91.646 17.382,-91.774 17.513,-91.905 17.513,-92.127 17.426,-92.214 17.429,-92.217 17.429,-92.502
  pour cut-out: 17.315,-92.154 17.371,-92.211 17.371,-92.395
  pour cut-out: 17.513,-92.611 17.513,-92.566 17.384,-92.437 17.4,-92.42 17.4,-91.446 17.321,-91.446 17.3,-91.425 17.24,-91.485 17.227,-91.485 17.227,-92.066 17.403,-92.242 17.384,-92.261 17.384,-92.537 17.271,-92.65